# KiCad board H.A.V.O.C. PCB V 1.0.kicad_pcb
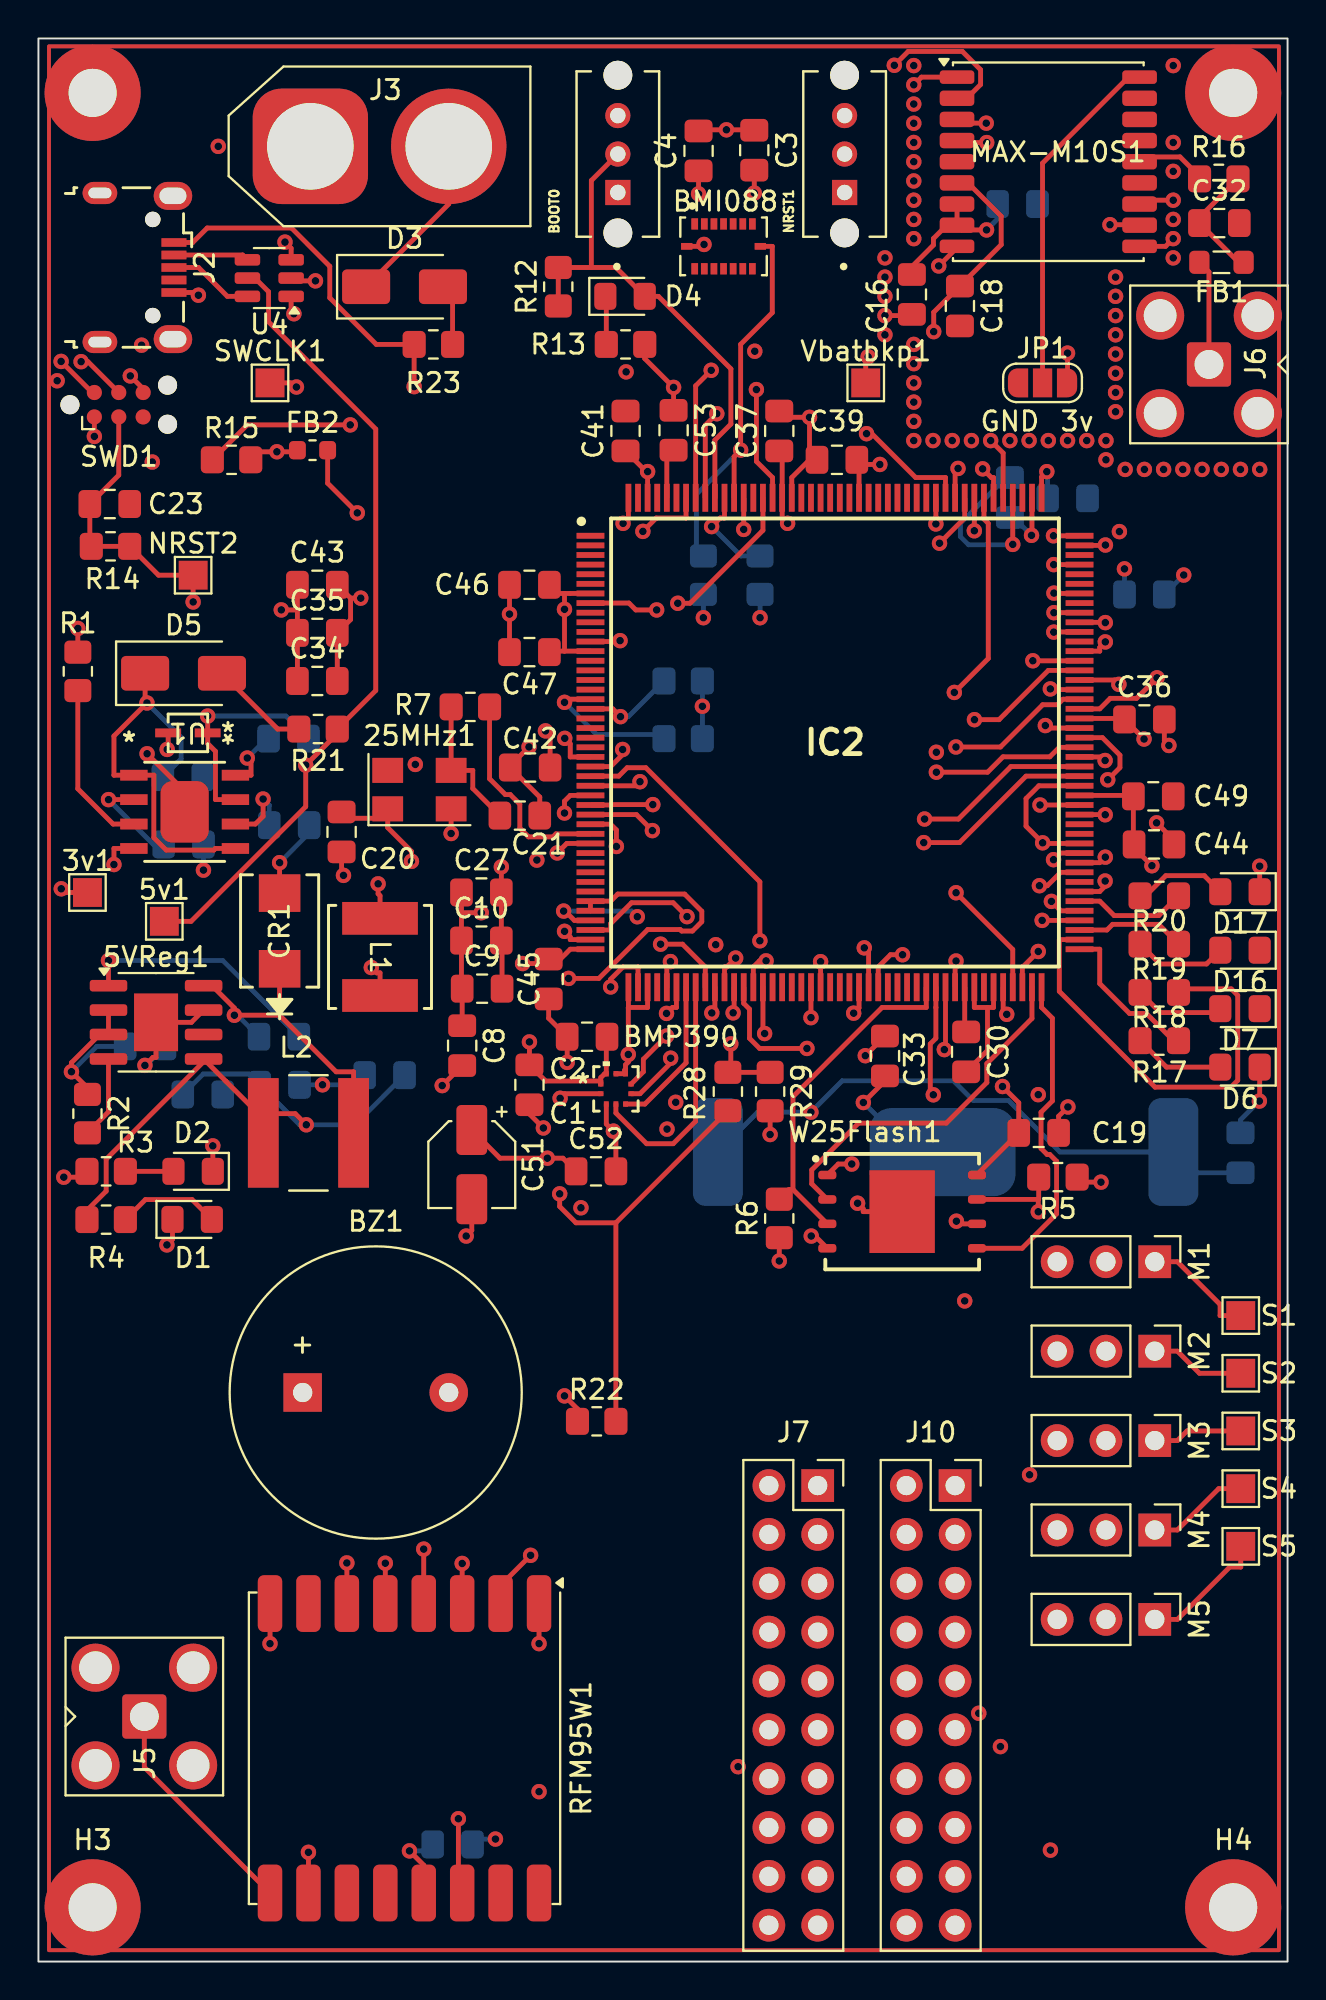
[diagram p0: board, top side]
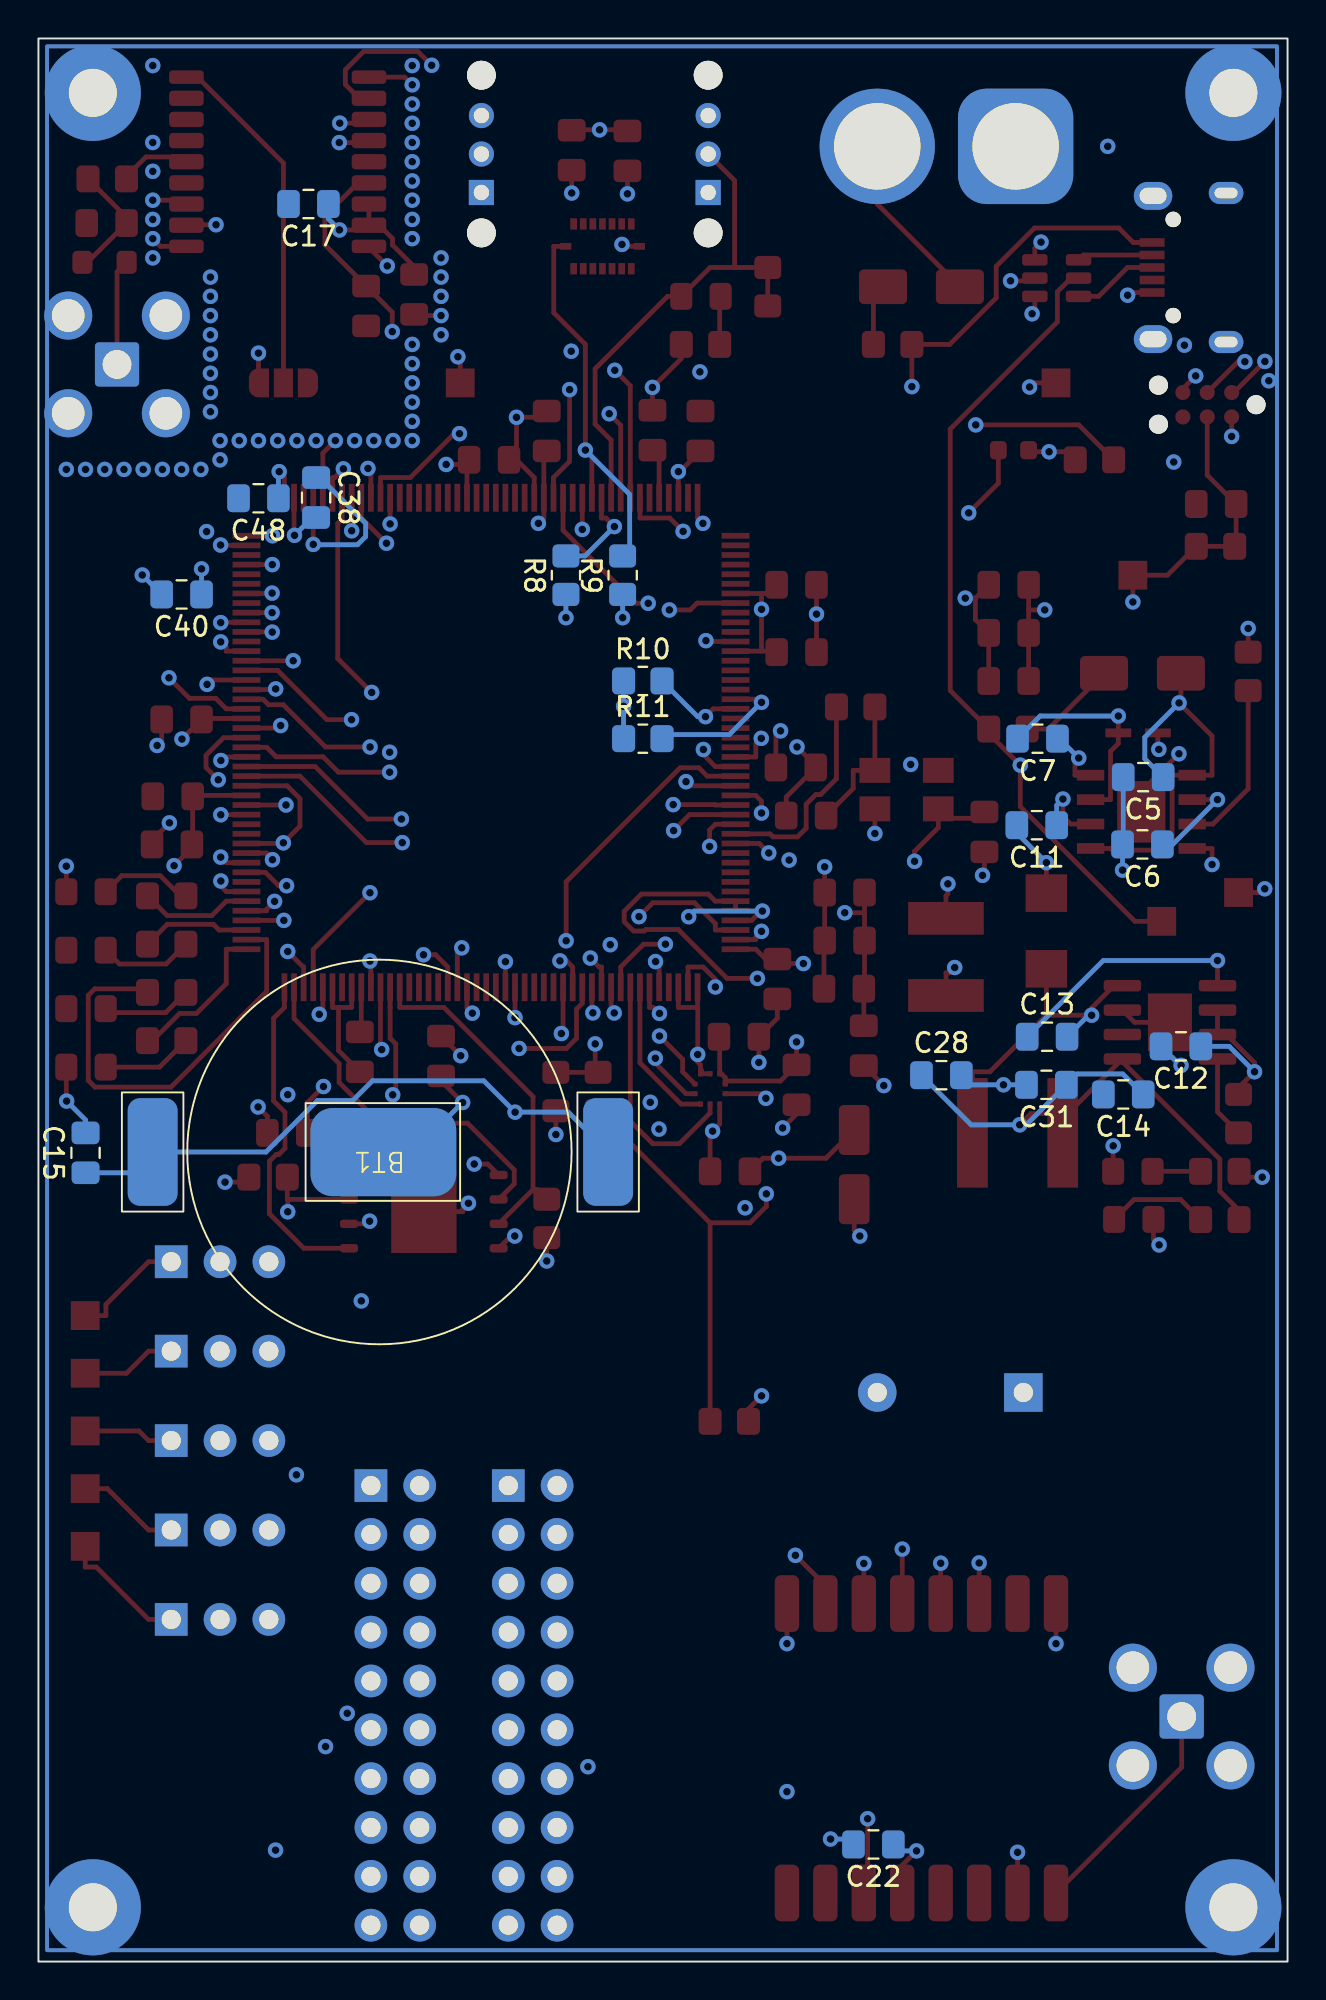
[diagram p1: board, bottom side, seen from below]

Outline 65 x 100 mm; copper layers: Top, GND (plane), 3v3, In3.Cu, GND2 (plane), In5.Cu, In6.Cu, Bottom. Coordinates in mm from the lower left corner of the outline.
Outline path: rectangle 0,100 65,0
Stack: Top 0.035mm / dielectric 0.1mm 3313 er 4.1 / GND 0.03mm / dielectric 0.13mm 3313 er 4.1 / 3v3 0.03mm / dielectric 0.203mm FR4 er 4.5 / dielectric 0.203mm FR4 er 4.5 / In3.Cu 0.03mm / dielectric 0.13mm FR4 er 4.5 / GND2 0.03mm / dielectric 0.203mm FR4 er 4.5 / dielectric 0.203mm FR4 er 4.5 / In5.Cu 0.03mm / dielectric 0.13mm FR4 er 4.5 / In6.Cu 0.03mm / dielectric 0.092mm 3313 er 4.1 / Bottom 0.035mm

## Placement (name value [footprint] x y rotation side)
3v1  3v3  [TestPoint_Pad_1.5x1.5mm]  2.55 55.59 0 top
3v3Reg1  NCV891330PD33R2G  [SOIC8_3P9X4P9_ONS]  7.61 59.78 0 top
5v1  5V  [TestPoint_Pad_1.5x1.5mm]  6.55 54.09 0 top
5VReg1  ADP2303ARDZ-5.0  [SOIC-8-1EP_3.9x4.9mm_P1.27mm_EP2.29x3mm]  6.12 48.84 0 top
25MHz1  25MHz-X503225MSB4SI  [Crystal_SMD_5032-4Pin_5.0x3.2mm]  19.83 60.94 0 top
BMI088  BMI088  [PQFN50P450X300X100-16N]  35.65 89.19 0 top
BMP390  BMP390  [10LGA_2X2X0p75_BOS]  30.05 45.38 0 top
BOOT0  OS102011MS2QN1  [SW_OS102011MS2QN1]  30.15 93.99 90 top
BT1  CR-2032  [cr 2032 holder]  47.26 42.1 0 bottom
BZ1  Buzzer  [Buzzer_15x7.5RM7.6]  13.75 29.59 0 top
C1  100nF  [C_0805_2012Metric_Pad1.18x1.45mm_HandSolder]  25.55 45.59 90 top
C2  100nF  [C_0805_2012Metric_Pad1.18x1.45mm_HandSolder]  28.55 48.09 180 top
C3  100 nF  [C_0805_2012Metric_Pad1.18x1.45mm_HandSolder]  37.25 94.19 90 top
C4  100 nF  [C_0805_2012Metric_Pad1.18x1.45mm_HandSolder]  34.35 94.15 90 top
C5  4.7 uF  [C_0805_2012Metric_Pad1.18x1.45mm_HandSolder]  7.51 61.59 0 bottom
C6  .1 uF  [C_0805_2012Metric_Pad1.18x1.45mm_HandSolder]  7.55 58.09 0 bottom
C7  .1 uF  [C_0805_2012Metric_Pad1.18x1.45mm_HandSolder]  13.01 63.59 0 bottom
C8  10 uF  [C_0805_2012Metric_Pad1.18x1.45mm_HandSolder]  22.05 47.63 270 top
C9  10 uF  [C_0805_2012Metric_Pad1.18x1.45mm_HandSolder]  23.09 50.59 0 top
C10  10 uF  [C_0805_2012Metric_Pad1.18x1.45mm_HandSolder]  23.05 53.09 0 top
C11  .1 uF  [C_0805_2012Metric_Pad1.18x1.45mm_HandSolder]  13.05 59.09 0 bottom
C12  10 uF  [C_0805_2012Metric_Pad1.18x1.45mm_HandSolder]  5.55 47.59 0 bottom
C13  0.1 uF  [C_0805_2012Metric_Pad1.18x1.45mm_HandSolder]  12.51 48.09 180 bottom
C14  47 uF  [C_0805_2012Metric_Pad1.18x1.45mm_HandSolder]  8.55 45.09 0 bottom
C15  1 uF  [C_0805_2012Metric_Pad1.18x1.45mm_HandSolder]  62.55 42.05 90 bottom
C16  1uF  [C_0805_2012Metric_Pad1.18x1.45mm_HandSolder]  45.45 86.69 270 top
C17  1uF  [C_0805_2012Metric_Pad1.18x1.45mm_HandSolder]  50.95 91.39 0 bottom
C18  10uF  [C_0805_2012Metric_Pad1.18x1.45mm_HandSolder]  47.95 86.09 270 top
C19  100nF  [C_0805_2012Metric_Pad1.18x1.45mm_HandSolder]  52.05 43.09 0 top
C20  12pF  [C_0805_2012Metric_Pad1.18x1.45mm_HandSolder]  15.77 58.74 270 top
C21  12pF  [C_0805_2012Metric_Pad1.18x1.45mm_HandSolder]  25.05 59.59 0 top
C22  10uF  [C_0805_2012Metric_Pad1.18x1.45mm_HandSolder]  21.55 6.09 0 bottom
C23  100nF  [C_0805_2012Metric_Pad1.18x1.45mm_HandSolder]  3.71 75.79 0 top
C27  1uF  [C_0805_2012Metric_Pad1.18x1.45mm_HandSolder]  23.05 55.59 0 top
C28  10 uF  [C_0805_2012Metric_Pad1.18x1.45mm_HandSolder]  18.01 46.09 180 bottom
C30  2.2uF  [C_0805_2012Metric_Pad1.18x1.45mm_HandSolder]  48.27 47.3 270 top
C31  10 uF  [C_0805_2012Metric_Pad1.18x1.45mm_HandSolder]  12.55 45.59 0 bottom
C32  47pF  [C_0805_2012Metric_Pad1.18x1.45mm_HandSolder]  61.45 90.4 0 top
C33  100nF  [C_0805_2012Metric_Pad1.18x1.45mm_HandSolder]  44.05 47.09 270 top
C34  100nF  [C_0805_2012Metric_Pad1.18x1.45mm_HandSolder]  14.51 66.59 0 top
C35  100nF  [C_0805_2012Metric_Pad1.18x1.45mm_HandSolder]  14.51 69.09 0 top
C36  100nF  [C_0805_2012Metric_Pad1.18x1.45mm_HandSolder]  57.55 64.59 0 top
C37  100nF  [C_0805_2012Metric_Pad1.18x1.45mm_HandSolder]  38.55 79.59 90 top
C38  100nF  [C_0805_2012Metric_Pad1.18x1.45mm_HandSolder]  50.55 76.13 270 bottom
C39  100nF  [C_0805_2012Metric_Pad1.18x1.45mm_HandSolder]  41.55 78.09 180 top
C40  100nF  [C_0805_2012Metric_Pad1.18x1.45mm_HandSolder]  57.55 71.09 0 bottom
C41  100nF  [C_0805_2012Metric_Pad1.18x1.45mm_HandSolder]  30.55 79.59 90 top
C42  100nF  [C_0805_2012Metric_Pad1.18x1.45mm_HandSolder]  25.59 62.09 180 top
C43  100nF  [C_0805_2012Metric_Pad1.18x1.45mm_HandSolder]  14.51 71.59 0 top
C44  100nF  [C_0805_2012Metric_Pad1.18x1.45mm_HandSolder]  58.05 58.09 0 top
C45  100nF  [C_0805_2012Metric_Pad1.18x1.45mm_HandSolder]  26.55 51.09 270 top
C46  100nF  [C_0805_2012Metric_Pad1.18x1.45mm_HandSolder]  25.55 71.59 180 top
C47  100nF  [C_0805_2012Metric_Pad1.18x1.45mm_HandSolder]  25.55 68.09 180 top
C48  2.2uF  [C_0805_2012Metric_Pad1.18x1.45mm_HandSolder]  53.55 76.09 0 bottom
C49  100nF  [C_0805_2012Metric_Pad1.18x1.45mm_HandSolder]  58.01 60.59 0 top
C51  1uF  [CP_Elec_4x5.4]  22.55 41.44 270 top
C52  100nF  [C_0805_2012Metric_Pad1.18x1.45mm_HandSolder]  29.01 41.09 0 top
C53  2.2 uF  [C_0805_2012Metric_Pad1.18x1.45mm_HandSolder]  33.05 79.63 270 top
CR1  SSB43L-E3/52T  [DIODE_DO214AA_MBRS]  12.55 53.59 90 top
D1  GREEN-3v3  [LED_0805_2012Metric_Pad1.15x1.40mm_HandSolder]  8.05 41.09 180 top
D2  RED-5V  [LED_0805_2012Metric_Pad1.15x1.40mm_HandSolder]  8 38.59 0 top
D3  B150-E3  [D_SMA]  19.05 87.09 0 top
D4  YELLOW  [LED_0805_2012Metric_Pad1.15x1.40mm_HandSolder]  30.52 86.59 0 top
D5  B150-E3  [D_SMA]  7.55 66.99 0 top
D6  G-STATUS1  [LED_0805_2012Metric_Pad1.15x1.40mm_HandSolder]  62.52 46.51 180 top
D7  O-STATUS2  [LED_0805_2012Metric_Pad1.15x1.40mm_HandSolder]  62.52 49.55 180 top
D16  B-STATUS3  [LED_0805_2012Metric_Pad1.15x1.40mm_HandSolder]  62.52 52.59 180 top
D17  R-STATUS4  [LED_0805_2012Metric_Pad1.15x1.40mm_HandSolder]  62.52 55.63 180 top
FB1  2.66  [L_0805_2012Metric_Pad1.05x1.20mm_HandSolder]  61.56 88.36 180 top
FB2  FCM1608KF-601T05  [L_0603_1608Metric]  14.26 78.59 0 top
H1  MountingHole_Pad  [MountingHole_2.5mm_Pad_TopBottom]  2.82 97.17 0 top
H2  MountingHole_Pad  [MountingHole_2.5mm_Pad_TopBottom]  62.17 97.17 0 top
H3  MountingHole_Pad  [MountingHole_2.5mm_Pad_TopBottom]  2.82 2.82 0 top
H4  MountingHole_Pad  [MountingHole_2.5mm_Pad_TopBottom]  62.17 2.82 0 top
IC2  STM32H755IIT6  [QFP50P2600X2600X160-176N]  41.45 63.39 0 top
J2  USB_B_Micro  [USB_Micro-B_Wuerth_629105150521]  5.15 88.09 270 top
J3  XT60-M  [AMASS_XT60-M_1x02_P7.20mm_Vertical]  14.15 94.39 0 top
J5  Conn_Coaxial  [SMA_Amphenol_901-143_Horizontal]  5.51 12.74 0 top
J6  Conn_Coaxial  [SMA_Amphenol_901-143_Horizontal]  60.91 83.05 180 top
J7  Conn_02x10_Top_Bottom  [PinSocket_2x10_P2.54mm_Vertical]  40.55 24.75 0 top
J10  Conn_02x10_Top_Bottom  [PinSocket_2x10_P2.54mm_Vertical]  47.7 24.75 0 top
JP1  SolderJumper_3_Open  [SolderJumper-3_P1.3mm_Open_RoundedPad1.0x1.5mm_NumberLabels]  52.25 82.09 0 top
L1  3.3 uH  [IND_NRS5030_TAY]  17.77 52.24 270 top
L2  NR6028T4R7M  [IND_NR6028T4R7M]  14.05 43.09 0 top
M1  SERVO1  [PinHeader_1x03_P2.54mm_Vertical]  58.09 36.39 270 top
M2  SERVO2  [PinHeader_1x03_P2.54mm_Vertical]  58.09 31.74 270 top
M3  SERVO3  [PinHeader_1x03_P2.54mm_Vertical]  58.09 27.09 270 top
M4  SERVO4  [PinHeader_1x03_P2.54mm_Vertical]  58.09 22.44 270 top
M5  SERVO5  [PinHeader_1x03_P2.54mm_Vertical]  58.09 17.79 270 top
MAX-M10S1  MAX-M10S  [ublox_MAX]  52.55 93.59 0 top
NRST1  OS102011MS2QN1  [SW_OS102011MS2QN1]  41.95 93.99 90 top
NRST2  NRST  [TestPoint_Pad_1.5x1.5mm]  8.05 72.09 0 top
R1  10k  [R_0805_2012Metric_Pad1.20x1.40mm_HandSolder]  2.05 67.09 90 top
R2  100k  [R_0805_2012Metric_Pad1.20x1.40mm_HandSolder]  2.55 44.09 270 top
R3  100  [R_0805_2012Metric_Pad1.20x1.40mm_HandSolder]  3.52 41.09 0 top
R4  200  [R_0805_2012Metric_Pad1.20x1.40mm_HandSolder]  3.52 38.58 0 top
R5  10k  [R_0805_2012Metric_Pad1.20x1.40mm_HandSolder]  53.05 40.79 180 top
R6  10k  [R_0805_2012Metric_Pad1.20x1.40mm_HandSolder]  38.55 38.64 90 top
R7  47  [R_0805_2012Metric_Pad1.20x1.40mm_HandSolder]  22.48 65.24 180 top
R8  4.7k  [R_0805_2012Metric_Pad1.20x1.40mm_HandSolder]  37.55 72.09 90 bottom
R9  4.7k  [R_0805_2012Metric_Pad1.20x1.40mm_HandSolder]  34.6 72.09 90 bottom
R10  4.7k  [R_0805_2012Metric_Pad1.20x1.40mm_HandSolder]  33.55 66.59 180 bottom
R11  4.7k  [R_0805_2012Metric_Pad1.20x1.40mm_HandSolder]  33.55 63.59 180 bottom
R12  10k  [R_0805_2012Metric_Pad1.20x1.40mm_HandSolder]  27.05 87.09 90 top
R13  100  [R_0805_2012Metric_Pad1.20x1.40mm_HandSolder]  30.55 84.09 0 top
R14  10k  [R_0805_2012Metric_Pad1.20x1.40mm_HandSolder]  3.75 73.59 0 top
R15  10k  [R_0805_2012Metric_Pad1.20x1.40mm_HandSolder]  10.05 78.09 0 top
R16  33  [R_0805_2012Metric_Pad1.20x1.40mm_HandSolder]  61.42 92.7 0 top
R17  200  [R_0805_2012Metric_Pad1.20x1.40mm_HandSolder]  58.33 47.89 180 top
R18  200  [R_0805_2012Metric_Pad1.20x1.40mm_HandSolder]  58.33 50.4 180 top
R19  200  [R_0805_2012Metric_Pad1.20x1.40mm_HandSolder]  58.33 52.91 180 top
R20  200  [R_0805_2012Metric_Pad1.20x1.40mm_HandSolder]  58.33 55.42 180 top
R21  0  [R_0805_2012Metric_Pad1.20x1.40mm_HandSolder]  14.55 64.09 180 top
R22  0  [R_0805_2012Metric_Pad1.20x1.40mm_HandSolder]  29.05 28.09 0 top
R23  0  [R_0805_2012Metric_Pad1.20x1.40mm_HandSolder]  20.55 84.09 0 top
R28  1M  [R_0805_2012Metric_Pad1.20x1.40mm_HandSolder]  35.87 45.24 270 top
R29  100k  [R_0805_2012Metric_Pad1.20x1.40mm_HandSolder]  38.08 45.24 270 top
RFM95W1  RFM95W-915S2  [HOPERF_RFM9XW_SMD]  19.05 11.09 270 top
S1  SERVO1  [TestPoint_Pad_1.5x1.5mm]  62.56 33.59 0 top
S2  SERVO2  [TestPoint_Pad_1.5x1.5mm]  62.56 30.59 0 top
S3  SERVO3  [TestPoint_Pad_1.5x1.5mm]  62.56 27.59 0 top
S4  SERVO4  [TestPoint_Pad_1.5x1.5mm]  62.56 24.59 0 top
S5  SERVO5  [TestPoint_Pad_1.5x1.5mm]  62.56 21.59 0 top
SWCLK1  SWCLK  [TestPoint_Pad_1.5x1.5mm]  12.05 82.09 0 top
SWD1  Conn_ARM_SWD_TagConnect_TC2030-NL  [Tag-Connect_TC2030-IDC-NL_2x03_P1.27mm_Vertical]  4.18 80.95 0 top
U1  BAS16HT1G  [SOD_16HT1G_ONS]  7.78 63.89 180 top
U4  USBLC6-2SC6  [SOT-23-6]  12.01 87.54 180 top
Vbatbkp1  Vbckp  [TestPoint_Pad_1.5x1.5mm]  43.05 82.09 0 top
W25Flash1  W25N01GVZEIG_TR  [SON127P800X600X80-9N]  44.95 39 0 top

## Library data of the parts
3v1 5v1 NRST2 S1-S5 SWCLK1 Vbatbkp1 = -: Description: test point; ki_fp_filters: Pin* Test*
3v3Reg1 = -: ki_fp_filters: SOIC8_3P9X4P9_ONS SOIC8_3P9X4P9_ONS-M SOIC8_3P9X4P9_ONS-L
5VReg1 = -: Datasheet: https://www.analog.com/media/en/technical-documentation/data-sheets/ADP2302_2303.pdf; ki_fp_filters: SOIC*1EP*3.9x4.9mm*P1.27mm*
25MHz1 = -: Description: Four pin crystal, GND on pins 2 and 4; ki_fp_filters: Crystal*
BMI088 = -: MF: Bosch Sensortec; PURCHASE-URL: https://pricing.snapeda.com/search/part/BMI088/?ref=eda; PACKAGE: VFLGA-16 Bosch Sensortec; PRICE: None; AVAILABILITY: In Stock; DESCRIPTION: Accelerometer, Gyroscope, 6 Axis Sensor I²C, SPI Output
BMP390 = -: Datasheet: https://www.bosch-sensortec.com/media/boschsensortec/downloads/datasheets/bst-bmp390-ds002.pdf; Description: Board Mount Pressure Sensors; Height: 0.8; Manufacturer_Name: BOSCH; Mouser Part Number: 262-BMP390; Mouser Price/Stock: https://www.mouser.co.uk/ProductDetail/Bosch-Sensortec/BMP390?qs=QNEnbhJQKvYQVfvRMgo2YA%3D%3D; Arrow Price/Stock: https://www.arrow.com/en/products/bmp390/bosch?region=nac
BOOT0 NRST1 = -: DigiKey_Part_Number: CKN9565-ND; SnapEDA_Link: https://www.snapeda.com/parts/OS102011MS2QN1/C%2526K/view-part/?ref=snap; Description_1: Switch,Slide,Mini,SPDT,ON-ON,Non-Shorting(BBM),100mA,12VDC,ThruHole,PC Pin | C&K OS102011MS2QN1; Package: None; Check_prices: https://www.snapeda.com/parts/OS102011MS2QN1/C%2526K/view-part/?ref=eda; STANDARD: MANUFACTURER RECOMMENDATIONS; MF: C&K; MANUFACTURER: C&K
BZ1 = -: Description: Buzzer, polarized; ki_fp_filters: *Buzzer*
C1-C4 = -: ki_fp_filters: C_*
C5-C21 C23 C28 C30 C31 C48 = -: Description: Unpolarized capacitor; ki_fp_filters: C_*
C22 C32-C47 C49 C52 C53 = -: Description: Unpolarized capacitor, small symbol; ki_fp_filters: C_*
C27 = -: Description: Unpolarized capacitor; Sim.Device: C; Sim.Pins: 1=+ 2=-; ki_fp_filters: C_*
C51 = -: Description: Polarized capacitor; ki_fp_filters: CP_*
CR1 = -: ki_fp_filters: DIODE_DO214AA_MBRS DIODE_DO214AA_MBRS-M DIODE_DO214AA_MBRS-L
D1 D2 D4 D6 D7 D16 D17 = -: Description: Light emitting diode; ki_fp_filters: LED* LED_SMD:* LED_THT:*
D3 D5 = -: Datasheet: http://www.vishay.com/docs/88946/b120.pdf; Description: 50V 1A Schottky Barrier Rectifier Diode, SMA(DO-214AC); ki_fp_filters: D*SMA*
FB1 FB2 = -: Description: Ferrite bead, small symbol; ki_fp_filters: Inductor_* L_* *Ferrite*
H1-H4 = -: Description: Mounting Hole with connection; ki_fp_filters: MountingHole*Pad*
IC2 = -: Datasheet: https://www.st.com/resource/en/datasheet/stm32h755ii.pdf; Description: ARM Microcontrollers - MCU; Height: 1.6; Manufacturer_Name: STMicroelectronics; Mouser Part Number: 511-STM32H755IIT6; Mouser Price/Stock: https://www.mouser.co.uk/ProductDetail/STMicroelectronics/STM32H755IIT6?qs=vLWxofP3U2y54l1JsNdchA%3D%3D; Arrow Price/Stock: https://www.arrow.com/en/products/stm32h755iit6/stmicroelectronics?region=nac
J2 = -: Description: USB Micro Type B connector; ki_fp_filters: USB*
J3 = -: MF: AMASS; MAXIMUM_PACKAGE_HEIGHT: 16.00 mm; Package: Package; Price: None; Check_prices: https://www.snapeda.com/parts/XT60-M/AMASS/view-part/?ref=eda; STANDARD: IPC 7351B; PARTREV: V1.2; SnapEDA_Link: https://www.snapeda.com/parts/XT60-M/AMASS/view-part/?ref=snap; Description_1: Plug; DC supply; XT60; male; PIN: 2; for cable; soldered; 30A; 500V; Availability: Not in stock; MANUFACTURER: AMASS
J5 J6 = -: Description: coaxial connector (BNC, SMA, SMB, SMC, Cinch/RCA, LEMO, ...); ki_fp_filters: *BNC* *SMA* *SMB* *SMC* *Cinch* *LEMO* *UMRF* *MCX* *U.FL*
J7 J10 = -: Description: Generic connector, double row, 02x10, top/bottom pin numbering scheme (row 1: 1...pins_per_row, row2: pins_per_row+1 ... num_pins), script generated (kicad-library-utils/schlib/autogen/connector/); ki_fp_filters: Connector*:*_2x??_*
JP1 = -: Description: Solder Jumper, 3-pole, open; ki_fp_filters: SolderJumper*Open*
L1 = -: Description: Inductor; ki_fp_filters: Choke_* *Coil* Inductor_* L_*
L2 = -: ki_fp_filters: IND_TAIYO_NR6028_TAY
M1-M5 = -: Datasheet: http://forums.parallax.com/uploads/attachments/46831/74481.png; Description: Servo Motor (Futaba, HiTec, JR connector); ki_fp_filters: PinHeader*P2.54mm*
MAX-M10S1 = -: Datasheet: https://content.u-blox.com/sites/default/files/MAX-M10S_DataSheet_UBX-20035208.pdf; Description: GNSS Module MAX M10, VCC 1.65V to 3.6V; ki_fp_filters: ublox?MAX*
R1-R20 = -: Description: Resistor; ki_fp_filters: R_*
R21-R23 R28 R29 = -: Description: Resistor, small symbol; ki_fp_filters: R_*
RFM95W1 = -: Datasheet: https://www.hoperf.com/data/upload/portal/20181127/5bfcbea20e9ef.pdf; Description: Low power long range transceiver module, SPI and parallel interface, 915 MHz, spreading factor 6 to12, bandwidth 7.8 to 500kHz, -111 to -148 dBm, SMD-16, DIP-16; ki_fp_filters: HOPERF*RFM9XW*
SWD1 = -: Datasheet: https://www.tag-connect.com/wp-content/uploads/bsk-pdf-manager/TC2030-CTX_1.pdf; Description: Tag-Connect ARM Cortex SWD JTAG connector, 6 pin, no legs; ki_fp_filters: *TC2030*
U1 = -: ki_fp_filters: SOD_16HT1G_ONS SOD_16HT1G_ONS-M SOD_16HT1G_ONS-L
U4 = -: Datasheet: https://www.st.com/resource/en/datasheet/usblc6-2.pdf; Description: Very low capacitance ESD protection diode, 2 data-line, SOT-23-6; ki_fp_filters: SOT?23*
W25Flash1 = -: MF: Winbond Electronics; DESCRIPTION: Ic Flash 1gbit 104mhz 8wson; PACKAGE: WSON-8 Winbond; PRICE: None; Package: WSON-8 Winbond; Check_prices: https://www.snapeda.com/parts/W25N01GVZEIG%20TR/Winbond+Electronics/view-part/?ref=eda; STANDARD: IPC7351B; SnapEDA_Link: https://www.snapeda.com/parts/W25N01GVZEIG%20TR/Winbond+Electronics/view-part/?ref=snap; MP: W25N01GVZEIG TR; Purchase-URL: https://www.snapeda.com/api/url_track_click_mouser/?unipart_id=1101444&manufacturer=Winbond Electronics&part_name=W25N01GVZEIG TR&search_term=None; Description_1: FLASH - NAND Memory IC 1Gb (128M x 8) SPI 104 MHz 8-WSON (8x6); Availability: In Stock; Price: None; MANUFACTURER: Winbond Electronics

## Footprints (pads in the part's own frame, mm; a bottom-side part is the same pattern mirrored in y, then rotated)
10LGA_2X2X0p75_BOS
  rect 0.279x0.254 smd: 1(-0.787,0.25) 2(-0.787,-0.25) 6(0.787,-0.25) 7(0.787,0.25)
  rect 0.254x0.279 smd: 3(-0.5,-0.787) 4(0,-0.787) 5(0.5,-0.787) 8(0.5,0.787) 9(0,0.787) 10(-0.5,0.787)
AMASS_XT60-M_1x02_P7.20mm_Vertical
  rrect 6x6 hole 4.5: 1(0,0)
  round 6 hole 4.5: 2(7.2,0)
Buzzer_15x7.5RM7.6
  rect 2x2 hole 1: 1(0,0)
  round 2 hole 1: 2(7.6,0)
C_0805_2012Metric_Pad1.18x1.45mm_HandSolder
  rrect 1.175x1.45 smd: 1(-1.038,0) 2(1.038,0)
CP_Elec_4x5.4
  rrect 2.6x1.6 smd: 1(-1.8,0) 2(1.8,0)
cr 2032 holder
  rrect 2.6x5.6 smd: 1(-11.9,0) 1(11.8,0)
  rrect 7.586x4.586 smd: 2(-0.207,0.007)
Crystal_SMD_5032-4Pin_5.0x3.2mm
  rect 1.6x1.3 smd: 1(-1.65,-1) 2(1.65,-1) 3(1.65,1) 4(-1.65,1)
D_SMA
  rrect 2.5x1.8 smd: 1(-2,0) 2(2,0)
DIODE_DO214AA_MBRS
  rect 1.956x2.159 smd: 1(-1.968,0) 2(1.968,0)
HOPERF_RFM9XW_SMD
  rrect 2.95x1.27 smd: 1(-7.525,7) 2(-7.525,5) 3(-7.525,3) 4(-7.525,1) 5(-7.525,-1) 6(-7.525,-3) 7(-7.525,-5) 8(-7.525,-7) 9(7.525,-7) 10(7.525,-5) 11(7.525,-3) 12(7.525,-1) 13(7.525,1) 14(7.525,3) 15(7.525,5) 16(7.525,7)
IND_NR6028T4R7M
  rect 1.6x5.7 smd: 1(-2.35,0) 2(2.35,0)
IND_NRS5030_TAY
  rect 1.702x3.937 smd: 1(-2.007,0) 2(2.007,0)
L_0603_1608Metric
  rrect 0.875x0.95 smd: 1(-0.787,0) 2(0.787,0)
L_0805_2012Metric_Pad1.05x1.20mm_HandSolder
  rrect 1.05x1.2 smd: 1(-1.15,0) 2(1.15,0)
LED_0805_2012Metric_Pad1.15x1.40mm_HandSolder
  rrect 1.15x1.4 smd: 1(-1.025,0) 2(1.025,0)
MountingHole_2.5mm_Pad_TopBottom
  round 2.9 hole 2.5: 1(0,0)
  round 5 smd: 1(0,0)
  round 5 smd far side: 1(0,0)
PinHeader_1x03_P2.54mm_Vertical
  rect 1.7x1.7 hole 1: 1(0,0)
  oval 1.7x1.7 hole 1: 2(0,-2.54) 3(0,-5.08)
PinSocket_2x10_P2.54mm_Vertical
  rect 1.7x1.7 hole 1: 1(0,0)
  oval 1.7x1.7 hole 1: 2(-2.54,0) 3(0,-2.54) 4(-2.54,-2.54) 5(0,-5.08) 6(-2.54,-5.08) 7(0,-7.62) 8(-2.54,-7.62) 9(0,-10.16) 10(-2.54,-10.16) 11(0,-12.7) 12(-2.54,-12.7) 13(0,-15.24) 14(-2.54,-15.24) 15(0,-17.78) 16(-2.54,-17.78) 17(0,-20.32) 18(-2.54,-20.32) 19(0,-22.86) 20(-2.54,-22.86)
PQFN50P450X300X100-16N
  rect 0.35x0.59 smd: 1(-1.5,1.165) 2(-1,1.165) 3(-0.5,1.165) 4(0,1.165) 5(0.5,1.165) 6(1,1.165) 7(1.5,1.165) 9(1.5,-1.165) 10(1,-1.165) 11(0.5,-1.165) 12(0,-1.165) 13(-0.5,-1.165) 14(-1,-1.165) 15(-1.5,-1.165)
  rect 0.59x0.35 smd: 8(1.915,0) 16(-1.915,0)
QFP50P2600X2600X160-176N
  rect 1.45x0.3 smd: 1(-12.725,10.75) 2(-12.725,10.25) 3(-12.725,9.75) 4(-12.725,9.25) 5(-12.725,8.75) 6(-12.725,8.25) 7(-12.725,7.75) 8(-12.725,7.25) 9(-12.725,6.75) 10(-12.725,6.25) 11(-12.725,5.75) 12(-12.725,5.25) 13(-12.725,4.75) 14(-12.725,4.25) 15(-12.725,3.75) 16(-12.725,3.25) 17(-12.725,2.75) 18(-12.725,2.25) 19(-12.725,1.75) 20(-12.725,1.25) 21(-12.725,0.75) 22(-12.725,0.25) 23(-12.725,-0.25) 24(-12.725,-0.75) 25(-12.725,-1.25) 26(-12.725,-1.75) 27(-12.725,-2.25) 28(-12.725,-2.75) 29(-12.725,-3.25) 30(-12.725,-3.75) 31(-12.725,-4.25) 32(-12.725,-4.75) 33(-12.725,-5.25) 34(-12.725,-5.75) 35(-12.725,-6.25) 36(-12.725,-6.75) 37(-12.725,-7.25) 38(-12.725,-7.75) 39(-12.725,-8.25) 40(-12.725,-8.75) 41(-12.725,-9.25) 42(-12.725,-9.75) 43(-12.725,-10.25) 44(-12.725,-10.75) 89(12.725,-10.75) 90(12.725,-10.25) 91(12.725,-9.75) 92(12.725,-9.25) 93(12.725,-8.75) 94(12.725,-8.25) 95(12.725,-7.75) 96(12.725,-7.25) 97(12.725,-6.75) 98(12.725,-6.25) 99(12.725,-5.75) 100(12.725,-5.25) 101(12.725,-4.75) 102(12.725,-4.25) 103(12.725,-3.75) 104(12.725,-3.25) 105(12.725,-2.75) 106(12.725,-2.25) 107(12.725,-1.75) 108(12.725,-1.25) 109(12.725,-0.75) 110(12.725,-0.25) 111(12.725,0.25) 112(12.725,0.75) 113(12.725,1.25) 114(12.725,1.75) 115(12.725,2.25) 116(12.725,2.75) 117(12.725,3.25) 118(12.725,3.75) 119(12.725,4.25) 120(12.725,4.75) 121(12.725,5.25) 122(12.725,5.75) 123(12.725,6.25) 124(12.725,6.75) 125(12.725,7.25) 126(12.725,7.75) 127(12.725,8.25) 128(12.725,8.75) 129(12.725,9.25) 130(12.725,9.75) 131(12.725,10.25) 132(12.725,10.75)
  rect 0.3x1.45 smd: 45(-10.75,-12.725) 46(-10.25,-12.725) 47(-9.75,-12.725) 48(-9.25,-12.725) 49(-8.75,-12.725) 50(-8.25,-12.725) 51(-7.75,-12.725) 52(-7.25,-12.725) 53(-6.75,-12.725) 54(-6.25,-12.725) 55(-5.75,-12.725) 56(-5.25,-12.725) 57(-4.75,-12.725) 58(-4.25,-12.725) 59(-3.75,-12.725) 60(-3.25,-12.725) 61(-2.75,-12.725) 62(-2.25,-12.725) 63(-1.75,-12.725) 64(-1.25,-12.725) 65(-0.75,-12.725) 66(-0.25,-12.725) 67(0.25,-12.725) 68(0.75,-12.725) 69(1.25,-12.725) 70(1.75,-12.725) 71(2.25,-12.725) 72(2.75,-12.725) 73(3.25,-12.725) 74(3.75,-12.725) 75(4.25,-12.725) 76(4.75,-12.725) 77(5.25,-12.725) 78(5.75,-12.725) 79(6.25,-12.725) 80(6.75,-12.725) 81(7.25,-12.725) 82(7.75,-12.725) 83(8.25,-12.725) 84(8.75,-12.725) 85(9.25,-12.725) 86(9.75,-12.725) 87(10.25,-12.725) 88(10.75,-12.725) 133(10.75,12.725) 134(10.25,12.725) 135(9.75,12.725) 136(9.25,12.725) 137(8.75,12.725) 138(8.25,12.725) 139(7.75,12.725) 140(7.25,12.725) 141(6.75,12.725) 142(6.25,12.725) 143(5.75,12.725) 144(5.25,12.725) 145(4.75,12.725) 146(4.25,12.725) 147(3.75,12.725) 148(3.25,12.725) 149(2.75,12.725) 150(2.25,12.725) 151(1.75,12.725) 152(1.25,12.725) 153(0.75,12.725) 154(0.25,12.725) 155(-0.25,12.725) 156(-0.75,12.725) 157(-1.25,12.725) 158(-1.75,12.725) 159(-2.25,12.725) 160(-2.75,12.725) 161(-3.25,12.725) 162(-3.75,12.725) 163(-4.25,12.725) 164(-4.75,12.725) 165(-5.25,12.725) 166(-5.75,12.725) 167(-6.25,12.725) 168(-6.75,12.725) 169(-7.25,12.725) 170(-7.75,12.725) 171(-8.25,12.725) 172(-8.75,12.725) 173(-9.25,12.725) 174(-9.75,12.725) 175(-10.25,12.725) 176(-10.75,12.725)